# Altium PCB MainMaster.PcbDoc (part 2 of 2) (continued)
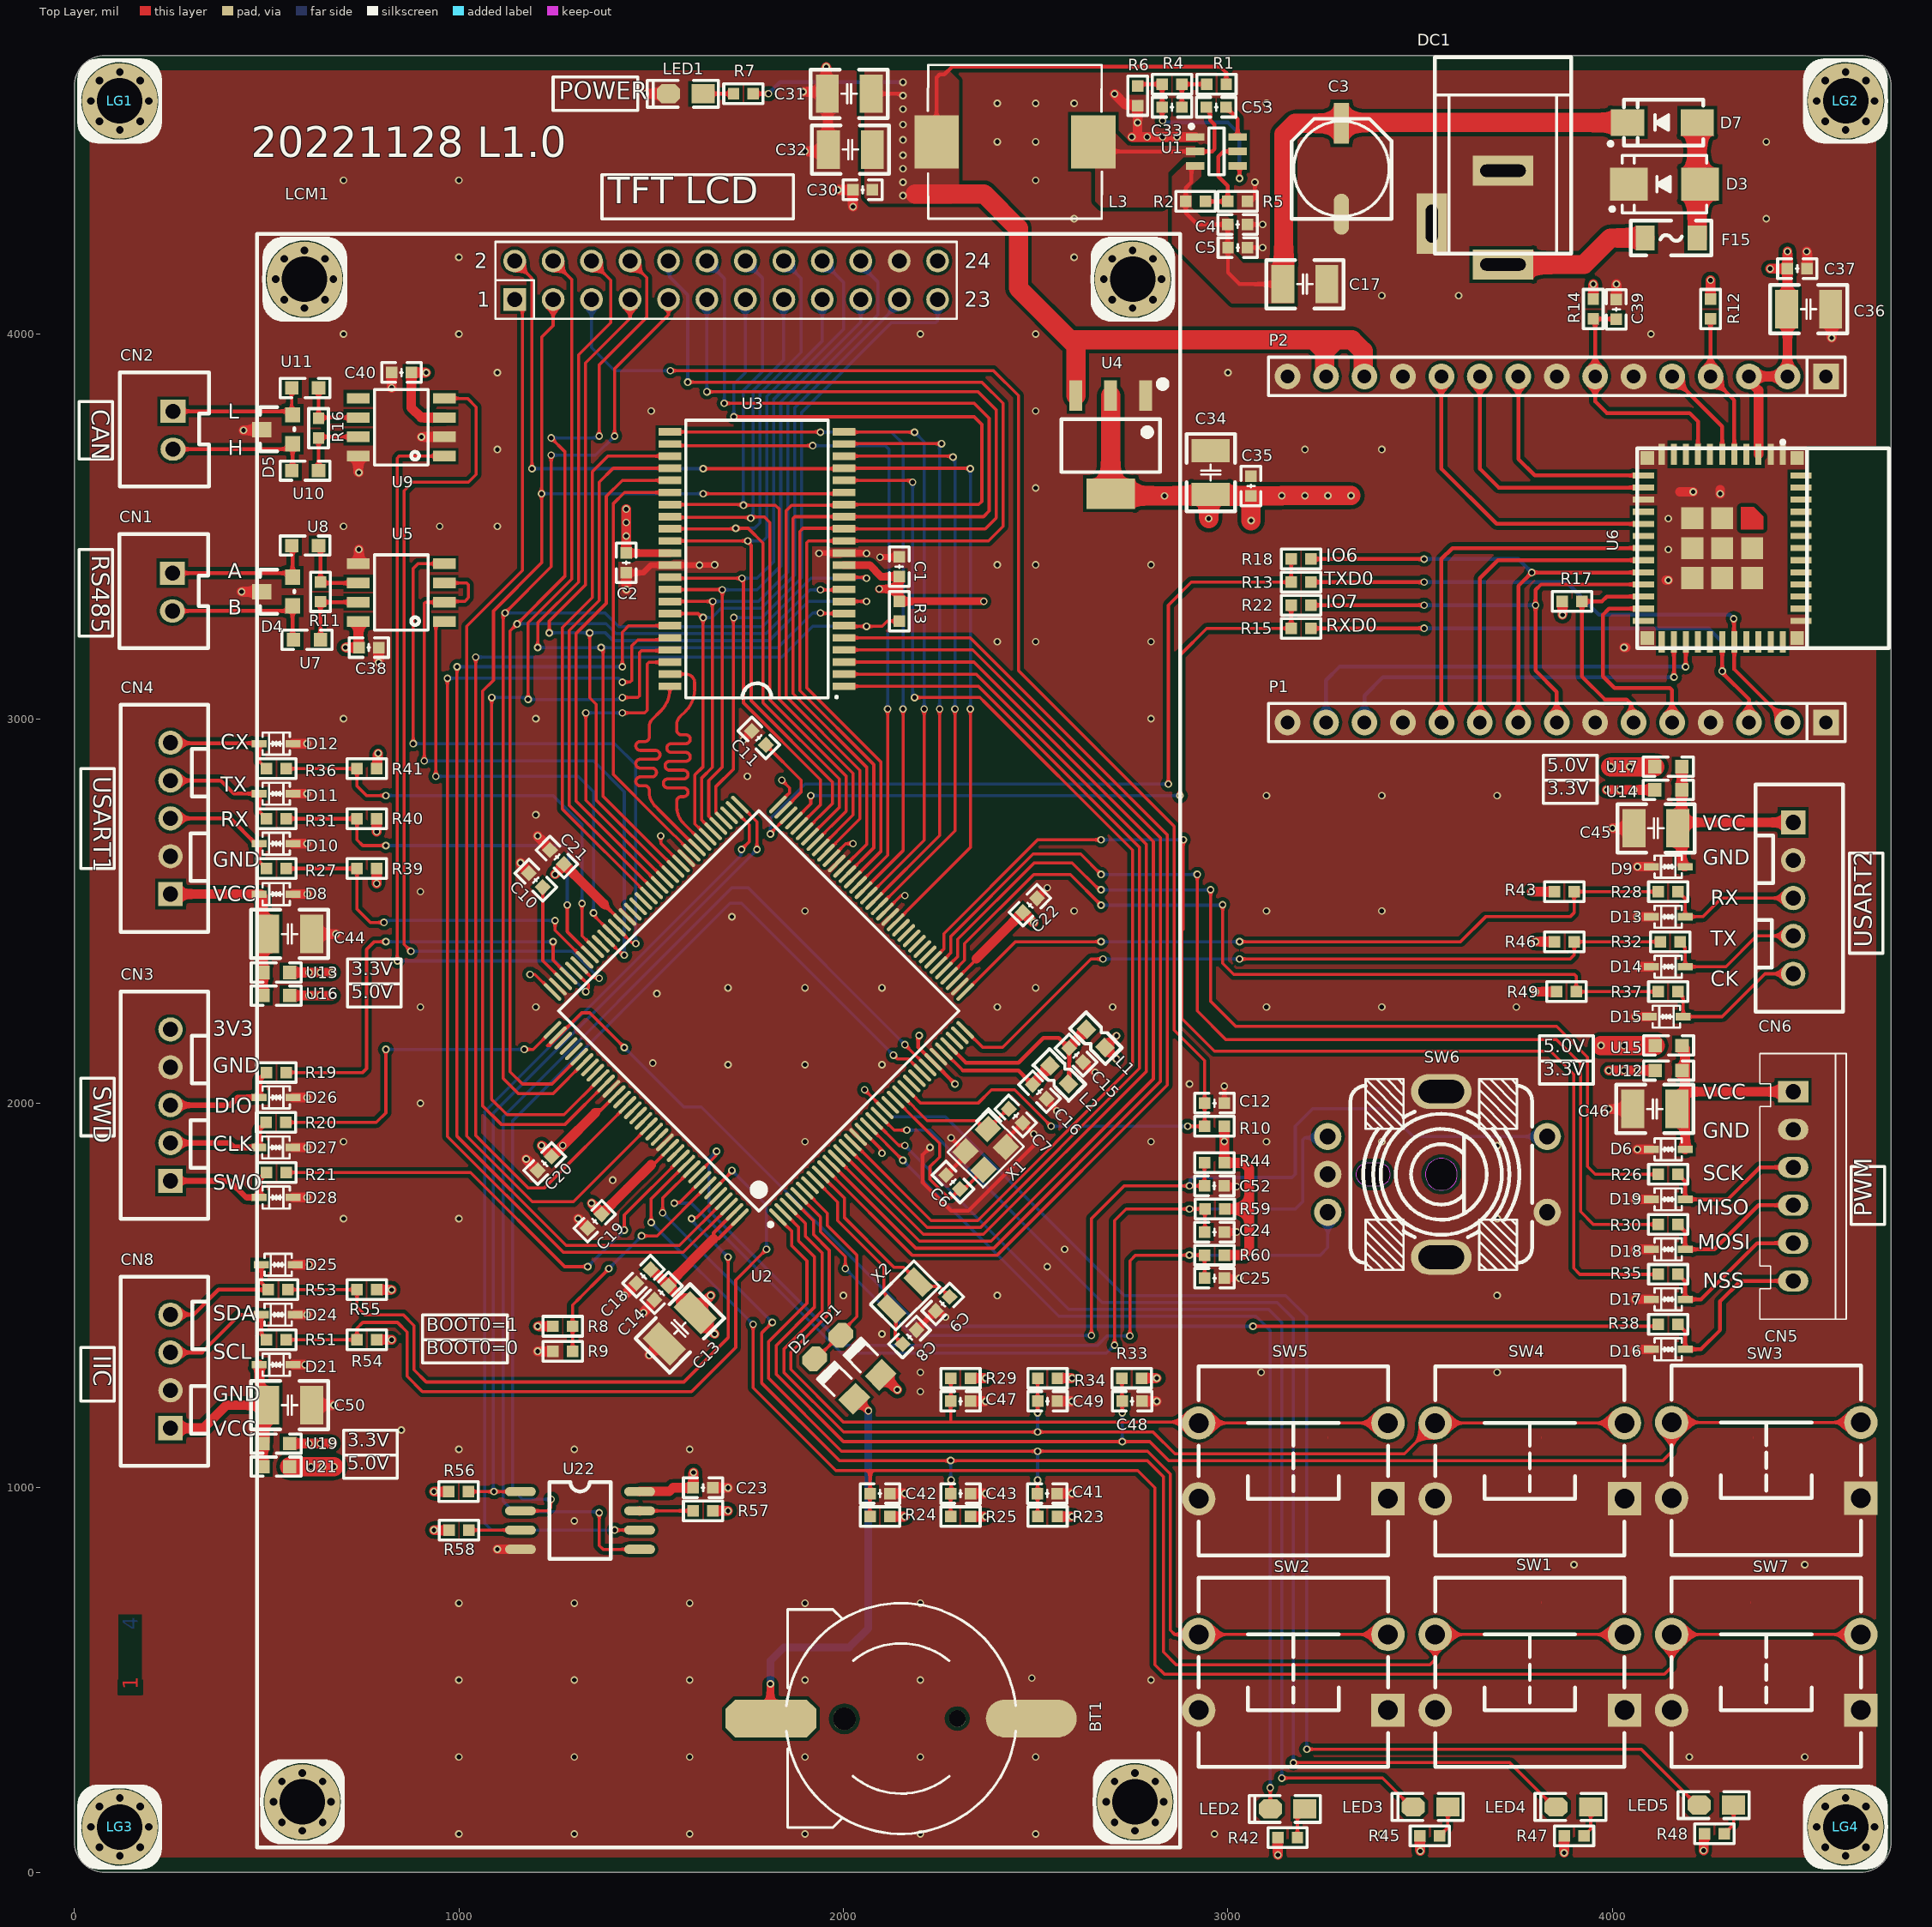
[diagram p0: Top Layer view]
## Nets (pads, with @x,y where several pads share a name; then routed paths per layer and width w, separated by ;. In a path a pad name is that pad's centre, name@x,y a point inside that pad or via, vN(x,y) a via of type N, cw(c..) or ccw(c..) an arc to the next point about the centre after c; other vN are vias at no path point) (continued)
NetC45_2: C45.2 CN6.1 D9.1 U14.2 U17.2 | length 556.2
  Top Layer w25: U17.2@4180,2875 U14.2@4180,2815 C45.2@4180,2730 ; D9.1@4189,2615 4184.96,2615 4180,2619.96 C45.2@4180,2730 ; CN6.1@4470,2730.28 4180.28,2730.28 C45.2@4180,2730
NetC46_2: C46.2 CN5.1 D6.1 U12.2 U15.2 | length 554.3
  Top Layer w25: U15.2@4181,2150 4189,2142 C46.2@4189,2030 ; D6.1@4189,1880 C46.2@4189,2030 ; CN5.1@4470,2030 C46.2@4189,2030
NetC50_2: C50.2 CN8.1 D21.1 U19.2 U21.2 | length 557.2
  Top Layer w25: CN8.1@250,1155 335,1155 395,1215 C50.2@502.91,1215 ; D21.1@481,1320 481,1256.91 502.91,1235 C50.2@502.91,1215 ; U21.2@490,1055 U19.2@490,1115 495,1120 495,1207.09 C50.2@502.91,1215
NetC53_1: C53.1 L3.1 U1.2 | length 445.7
  Top Layer w10: L3.1@2650,4500 2675,4475 U1.2@2914.88,4475 2959.14,4475 2965,4480.86 2965,4545 2953.82,4556.18 2953.82,4580 C53.1@2943.82,4590
NetC53_2: C53.2 U1.6 | length 90.1
  Top Layer w10: C53.2@2995,4590 3025.12,4559.88 U1.6@3025.12,4512.4
NetCN1_1: CN1.1 D4.2 U8.2 | length 401.9
  Top Layer w10: CN1.1@255,3378.43 552.07,3378.43 D4.2@567.5,3363 ; U8.2@565,3450 567.5,3447.5 D4.2@567.5,3368
NetCN1_2: CN1.2 D4.1 U7.2 | length 404.8
  Top Layer w10: CN1.2@255,3280 559.5,3280 D4.1@567.5,3288 ; D4.1@567.5,3293 D4.1@567.5,3288 ; U7.2@570,3205 567.5,3207.5 D4.1@567.5,3288
NetCN2_1: CN2.1 D5.2 U11.2 | length 382.2
  Top Layer w8: D5.2@558.29,3799.21 D5.2@565,3792.5 ; U11.2@565,3860 D5.2@565,3792.5 ; D5.2@567.5,3790 D5.2@565,3792.5
  Top Layer w10: CN2.1@256.6,3799.21 D5.2@558.29,3799.21
NetCN2_2: CN2.2 D5.1 U10.2 | length 387.8
  Top Layer w10: CN2.2@256.6,3700.79 553.29,3700.79 D5.1@567.5,3715 567.5,3647.5 U10.2@565,3645
NetCN3_1: CN3.1 D28.2 R21.2 | length 321.5
  Top Layer w15: CN3.1@250,1798.15 403.15,1798.15 446.3,1755 D28.2@481,1755 481,1801.59 R21.2@499.42,1820.01
NetCN3_2: CN3.2 D27.2 R20.2 | length 307.6
  Top Layer w15: CN3.2@250,1896.57 403.43,1896.57 415,1885 D27.2@480,1885 480,1931.18 R20.2@498.82,1950
NetCN3_3: CN3.3 D26.2 R19.2 | length 311.9
  Top Layer w15: CN3.3@250,1995 405,1995 425,2015 D26.2@481,2015 481,2061.59 R19.2@499.41,2080
NetCN4_3: CN4.3 D10.2 R27.1 | length 340.6
  Top Layer w10: CN4.3@250,2740.67 405.59,2740.67 471.26,2675 D10.2@481,2675 ; D10.2@490.74,2675 D10.2@481,2675 ; R27.1@499.41,2610 481,2628.4 D10.2@481,2675
NetCN4_4: CN4.4 D11.2 R31.1 | length 325.3
  Top Layer w10: CN4.4@250,2839.09 259.09,2830 268.18,2839.09 380.91,2839.09 415,2805 D11.2@481,2805 481,2758.4 R31.1@499.41,2740
NetCN4_5: CN4.5 D12.2 R36.1 | length 304.7
  Top Layer w10: CN4.5@250,2937.52 251.26,2936.26 479.74,2936.26 D12.2@481,2935 481,2888.4 R36.1@499.41,2870
NetCN5_3: CN5.3 D19.2 R26.1 | length 388.1
  Top Layer w10: R26.1@4170.59,1815 4189,1796.6 D19.2@4189,1750 4300,1750 4383.15,1833.15 CN5.3@4470,1833.15
NetCN5_4: CN5.4 D18.2 R30.1 | length 401.4
  Top Layer w10: R30.1@4170,1685 4189,1666 D18.2@4189,1620 4265,1620 4379.72,1734.72 CN5.4@4470,1734.72
NetCN5_5: CN5.5 D17.2 R35.1 | length 414.2
  Top Layer w10: R35.1@4170.59,1555 4189,1536.6 D17.2@4189,1490 4230,1490 4376.3,1636.3 CN5.5@4470,1636.3
NetCN5_6: CN5.6 D16.2 R38.1 | length 471.2
  Top Layer w10: R38.1@4170.59,1425 4189,1406.6 D16.2@4189,1360 4230,1360 4280,1410 4280,1485 4332.87,1537.87 CN5.6@4470,1537.87
NetCN6_3: CN6.3 D13.2 R28.1 | length 373.7
  Top Layer w8: R28.1@4170.59,2550 4189,2531.6 D13.2@4189,2485 4235,2485 4283.43,2533.43 CN6.3@4470,2533.43
NetCN6_4: CN6.4 D14.2 R32.1 | length 388.8
  Top Layer w8: R32.1@4175.59,2420 4189,2406.6 D14.2@4189,2355 4194,2360 4199,2355 4295,2355 4375,2435 CN6.4@4470,2435
NetCN6_5: CN6.5 D15.2 R37.1 | length 402.8
  Top Layer w8: R37.1@4170.59,2290 4184,2276.6 D15.2@4184,2225 4285,2225 4396.57,2336.57 CN6.5@4470,2336.57
NetCN8_3: CN8.3 D24.2 R51.1 | length 347.2
  Top Layer w10: CN8.3@250,1351.85 331.85,1351.85 430,1450 D24.2@486,1450 486,1398.4 R51.1@499.41,1385
NetCN8_4: CN8.4 D25.2 R53.1 | length 353.8
  Top Layer w10: CN8.4@250,1450.28 310.28,1450.28 375,1515 R53.1@504.41,1515 486,1533.4 D25.2@486,1580
NetD1_1: D1.1 D2.1 U2.6 | length 541.9
  Top Layer w8: U2.6@1899.01,1773 1958,1714.01 1958,1682 2035,1605 2035,1445 1990,1400 1990,1396.64 1928.36,1335 D2.1@1925,1335
NetD3_1: D3.1 D7.2 F15.2 | length 285
  Top Layer w50: F15.2@4220,4250 4220,4380 D7.2@4220,4535
NetDC1_1: DC1.1 F15.1 | length 452.1
  Top Layer w50: DC1.1@3665.63,4170.91 3705,4170.91 DC1.1@3715,4180.91 3925.91,4180.91 3995,4250 F15.1@4085,4250
NetLED1_2: LED1.2 R7.1 | length 79.4
  Top Layer w10: LED1.2@1635,4625 R7.1@1714.41,4625
NetLED2_2: LED2.2 R42.2 | length 83
  Top Layer w8: R42.2@3180.59,90 3180.59,145.59 LED2.2@3200,165
NetLED3_2: LED3.2 R45.2 | length 83.7
  Top Layer w8: R45.2@3550.59,95 3571.67,116.08 LED3.2@3571.67,170
NetLED4_2: LED4.2 R47.2 | length 82.4
  Top Layer w8: R47.2@3925.59,95 3943.33,112.74 LED4.2@3943.33,170
NetLED5_2: LED5.2 R48.2 | length 85.1
  Top Layer w8: R48.2@4290.59,100 4315,124.41 LED5.2@4315,175
NetR2_1: R2.1 R5.2 U1.5 | length 240.7
  Top Layer w10: R2.1@2941.18,4345 R5.2@2999.41,4345 2999.41,4385.59 2975,4410 2975,4461.72 2988.28,4475 U1.5@3025.12,4475
NetR11_1: R11.1 U5.7 U7.1 | length 198.2
  Top Layer w10: U7.1@640,3205 R11.1@640,3304.41 641.63,3302.78 U5.7@738.14,3302.78
NetR11_2: R11.2 U5.6 U8.1 | length 195.8
  Top Layer w10: U8.1@635,3450 640,3445 R11.2@640,3355.59 642.81,3352.78 U5.6@738.14,3352.78
NetR16_1: R16.1 U9.7 U10.1 | length 188.9
  Top Layer w10: U10.1@635,3645 R16.1@635,3729.41 638.38,3732.78 U9.7@738.14,3732.78
NetR16_2: R16.2 U9.6 U11.1 | length 183.5
  Top Layer w10: U11.1@635,3860 R16.2@635,3780.59 637.19,3782.78 U9.6@738.14,3782.78
NetR57_2: R57.2 U22.7 | length 139.4
  Top Layer w8: U22.7@1470,940 R57.2@1609.41,940
NetR58_1: R58.1 U22.3 | length 134.4
  Top Layer w8: R58.1@1025.59,890 U22.3@1160,890
PA2_USART2_TX: R32.2 R46.2 U2.36 | length 1960.8
  Top Layer w8: U2.36@2316.59,2190.59 2362.18,2145 2413.96,2145 2643.96,2375 v1(2675,2375) ; v1(3030,2375) 3890,2375 3900.59,2385.59 R46.2@3900.59,2420 R32.2@4124.41,2420
  Bottom Layer w8: v1(2675,2375) v1(3030,2375)
PA3_USART2_RX: R28.2 R43.2 U2.37 | length 1943
  Top Layer w8: U2.37@2316.59,2289.41 2447.18,2420 v1(2670,2420) ; v1(3030,2420) 3605,2420 3670,2485 3890,2485 3900,2495 R43.2@3900,2550 R28.2@4119.41,2550
  Bottom Layer w8: v1(2670,2420) v1(3030,2420)
PA4_USART2_CK: R37.2 R49.2 U2.40 | length 2219.8
  Top Layer w8: U2.40@2274.84,2331.17 2315,2371.34 2315,2415 2495,2595 2590,2595 v1(2670,2515) ; v1(2986.25,2516.25) 2986.25,2363.75 3015,2335 3900.9,2335 3905.59,2330.31 R49.2@3905.59,2290 R37.2@4119.41,2290
  Bottom Layer w8: v1(2670,2515) 2985,2515 v1(2986.25,2516.25)
PA5_SPI1_SCK: R26.2 U2.41 | length 2673.1
  Top Layer w8: U2.41@2260.92,2345.09 2297,2381.18 2297,2426.09 2495.91,2625 2595,2625 2665,2555 v1(2670,2555) ; v1(2955,2555) 2955,2265 3020,2200 3855,2200 3935,2120 3935,1835 3955,1815 R26.2@4119.41,1815
  Bottom Layer w8: v1(2670,2555) v1(2955,2555)
PA6_SPI1_MISO: R30.2 U2.42 | length 2848.8
  Top Layer w8: U2.42@2247,2359.01 2279,2391.01 2279,2433.54 2493.46,2648 2617,2648 v1(2670,2595) ; v1(2920,2595) 2920,2240 2995,2165 3855,2165 3917,2103 3917,1718 3950,1685 R30.2@4118.82,1685
  Bottom Layer w8: v1(2670,2595) v1(2920,2595)
PA7_SPI1_MOSI: R35.2 U2.43 | length 3080.3
  Top Layer w8: U2.43@2233.08,2372.93 2261,2400.85 2261,2441 2505,2685 v1(2670,2685) ; v1(2883.84,2685) 2883.84,2452.84 2880,2449 2880,2220 2965,2135 3839.09,2135 3899,2075.09 3899,1571 3915,1555 R35.2@4119.41,1555
  Bottom Layer w8: v1(2670,2685) v1(2883.84,2685)
PA8_USART1_CX: R36.2 R41.2 U2.100 | length 1194.6
  Top Layer w8: R36.2@550.59,2870 R41.2@735,2870 735,2825 760,2800 v1(810,2800) ; v1(1320.17,2519.63) 1320,2519.46 1320,2435.53 U2.100@1354.76,2400.77
  Bottom Layer w8: v1(810,2800) 1245,2800 1320,2725 1320,2519.79 v1(1320.17,2519.63)
PA9_USART1_TX: R31.2 R40.2 U2.101 | length 1101.9
  Top Layer w8: R40.2@735,2740 735,2685 750,2670 v1(810,2670) ; v1(1281.7,2515.47) 1281.7,2445.99 U2.101@1340.84,2386.85
  Top Layer w10: R31.2@550.59,2740 R40.2@735,2740
  Bottom Layer w8: v1(810,2670) 1280.31,2670 1285,2665.31 1285,2593.62 1281.7,2590.33 v1(1281.7,2515.47)
PA10_USART1_RX: R27.2 R39.2 U2.102 | length 954.9
  Top Layer w8: R39.2@735,2610 735,2505 770,2470 v1(805,2470) ; v1(1250,2475) 1250,2449.85 U2.102@1326.92,2372.93
  Top Layer w10: R27.2@550.59,2610 R39.2@735,2610
  Bottom Layer w8: v1(805,2470) 810,2475 v1(1250,2475)
PA11_CAN1_RX: U2.103 U9.4 | length 2262.7
  Top Layer w8: v1(875,2395) 857.31,2412.69 857.31,3592.31 880,3615 1025,3615 1045,3635 1045,3810 1022.22,3832.78 U9.4@961.86,3832.78 ; U2.103@1313,2359.01 1344.78,2327.24 1362.76,2327.24 v1(1365,2325)
  Bottom Layer w8: v1(875,2395) 1295,2395 v1(1365,2325)
PA12_CAN1_TX: U2.104 U9.1 | length 2030.2
  Top Layer w8: v1(840,2370) 839.31,2370.69 839.31,3677.41 844.69,3682.78 U9.1@961.86,3682.78 ; U2.104@1299.08,2345.09 1299.58,2345.09 1318.6,2326.08 1319.07,2326.08 1337.36,2307.79 1337.36,2301.16 1332.24,2296.04 1332.24,2292.24 v1(1330,2290)
  Bottom Layer w8: v1(840,2370) 1250,2370 v1(1330,2290)
PA15_SPI1_NSS: R38.2 U2.110 | length 3303.5
  Top Layer w8: U2.110@1257.33,2176.67 1234.27,2153.62 1230.31,2149.65 1234.27,2149.65 1236.23,2149.65 1236.23,2151.66 1259.28,2174.71 1319.57,2235 1340,2235 v1(1430,2145) ; v1(3065,1420) 4114.41,1420 R38.2@4119.41,1425
  Bottom Layer w8: v1(1430,2145) 1585,1990 1630,1990 2200,1420 v1(3065,1420)
PB4_KEY0: C42.1 R24.2 SW7.3 SW7.4 U2.134 | length 4391.9
  Top Layer w8: v1(1500,1690) 1500,1751.21 U2.134@1591.39,1842.6 ; v1(1765,1425) 1765,1260 1980,1045 2069.41,1045 ; C42.1@2068.82,995 2068.82,935.6 R24.2@2069.41,935 ; C42.1@2069.41,995 2069.41,1045 ; SW7.4@4646.06,618.43 SW7.3@4153.94,618.43 4153.94,533.94 4135,515 2835,515 2810,540 2810,1000 2765,1045 2069.41,1045
  Bottom Layer w8: v1(1500,1690) v1(1765,1425)
PB5_KEY1: C43.1 R25.2 SW1.3 SW1.4 U2.135 | length 3738.6
  Top Layer w8: v1(1530,1715) 1530,1753.37 U2.135@1605.31,1828.68 ; v1(1815,1430) 1787,1402 1787,1273 1990,1070 2790.77,1070 2832.06,1028.71 2832.06,572.94 2865,540 3525,540 3538.94,553.94 SW1.3@3538.94,618.43 SW1.4@4031.06,618.43 ; R25.2@2278.82,935 C43.1@2278.82,985 2280,986.18 v1(2280,1020)
  Bottom Layer w8: v1(1530,1715) v1(1815,1430) ; v1(2278.82,1071.18) 2278.82,1021.18 v1(2280,1020)
PB6_TIM4_CH1: C25.1 R60.1 SW6.B U2.136 | length 2410.5
  Top Layer w8: U2.136@1619.23,1814.76 1667.76,1863.3 1667.76,1872.76 v1(1670,1875) ; v1(2745,1395) 2745,1590 2760,1605 v1(2899.7,1605) R60.1@2939.41,1605 C25.1@2939.41,1545
  Bottom Layer w8: v1(1670,1875) 1650,1855 1650,1720 2000,1370 2660,1370 2685,1395 v1(2745,1395) ; v1(2899.7,1605) 3240,1605 3259.57,1624.57 SW6.B@3259.57,1716.59
PB7_TIM4_CH2: C24.1 R59.1 SW6.A U2.137 | length 2576.7
  Top Layer w8: v1(1560,1740) 1562.24,1742.24 1574.54,1742.24 U2.137@1633.15,1800.84 ; v1(2705,1371.16) 2705,1695 2735,1725 v1(2900,1725) R59.1@2940,1725 2940,1665.59 C24.1@2939.41,1665
  Bottom Layer w8: v1(1560,1740) 1604.54,1740 1994.54,1350 2683.84,1350 v1(2705,1371.16) ; v1(2900,1725) 3175,1725 3195,1745 3195,1905.31 3199.69,1910 3256.13,1910 SW6.A@3259.57,1913.44
PB8_I2C1_SCL: R51.2 R54.2 U2.139 | length 1997.9
  Top Layer w8: R51.2@550.59,1385 R54.2@735,1385 735,1415 750,1430 840,1430 865,1405 865,1290 905,1250 970,1250 1605,1250 1720,1365 1720,1540 v1(1800,1620) ; U2.139@1660.99,1773 1660.99,1773.5 1710,1822.51 v1(1710,1825)
  Bottom Layer w8: v1(1710,1825) 1800,1735 v1(1800,1620)
PB9_I2C1_SDA: R53.2 R55.2 U2.140 | length 1828.9
  Top Layer w8: R53.2@555.59,1515 R55.2@735,1515 735,1470 755,1450 855,1450 883,1422 883,1307 915,1275 1585,1275 1700,1390 v1(1700,1600) ; v1(1605,1700) 1607.24,1702.24 1618.06,1702.24 U2.140@1674.91,1759.08
  Bottom Layer w8: v1(1605,1700) 1605,1695 v1(1700,1600)
PB10_USART3_TX: R15.1 R22.2 U2.69 | length 1786.7
  Top Layer w8: U2.69@1871.17,2734.84 1915,2778.66 v1(1915,2800) ; v1(2875,2800) 2875,3165 2945,3235 R15.1@3164.41,3235
  Top Layer w10: R15.1@3164.41,3235 R22.2@3164.41,3295
  Bottom Layer w8: v1(1915,2800) v1(2875,2800)
PB11_USART3_RX: R13.1 R18.2 U2.70 | length 2049.9
  Top Layer w8: v1(1810,2700) 1810,2701.5 U2.70@1857.25,2748.76 ; v1(2845,2830) 2845,3295 2905,3355 R13.1@3164.41,3355 R18.2@3164.41,3415
  Bottom Layer w8: v1(1810,2700) 1810,2740 1900,2830 v1(2845,2830)
PB12_SPI2_NSS: R56.2 U2.73 U22.1 | length 2225
  Top Layer w8: R56.2@1025,990 1090,990 U22.1@1160,990 ; U2.73@1730.59,2776.59 1775,2732.18 v1(1775,2660)
  Bottom Layer w8: v1(1091.16,990) 1089,992.16 1089,1973.54 1775,2659.54 v1(1775,2660)
PB13_SPI2_SCK: U2.74 U22.6 | length 2565.7
  Top Layer w8: v1(1405,890) U22.6@1470,890 ; U2.74@1716.67,2762.67 1755,2724.34 1755,2680 v1(1735,2660)
  Bottom Layer w8: v1(1405,890) 1085,890 1067.31,907.69 1067.31,1977.77 1733.07,2643.52 1733.07,2658.07 v1(1735,2660)
PB15_LCD_BLK: LCM1.23 U2.76 | length 1713.4
  Top Layer w8: U2.76@1688.83,2734.84 1688.83,2735.33 1667.73,2756.43 1667.73,2822.73 1713.5,2868.5 1713.5,3261.34 v1(1715,3262.84)
  Bottom Layer w8: v1(1715,3262.84) 1787.84,3262.84 1891,3366 1891,3796.31 2124.69,4030 2240.31,4030 2245,4034.69 LCM1.23@2245,4090
PC2_SPI2_MISO: U2.28 U22.2 | length 2656.3
  Top Layer w8: U22.2@1160,940 1230,940 1238.16,948.16 1238.16,968.16 v1(1240,970) ; v1(2130,2125) 2130.53,2125 2140.53,2115 2169.47,2115 U2.28@2205.24,2079.23
  Bottom Layer w8: v1(1240,970) 1165,970 1140,995 1140,1955 1705,2520 1735,2520 v1(2130,2125)
PC3_SPI2_MOSI: U2.29 U22.5 | length 3000.6
  Top Layer w8: v1(1365,935) 1365,850 1375,840 U22.5@1470,840 ; v1(2160,2152.31) U2.29@2219.16,2093.15
  Bottom Layer w8: v1(1365,935) 1362.31,937.68 1142.31,937.68 1115,965 1115,1965 1710,2560 1752.31,2560 v1(2160,2152.31)
PC6_USART6_TX: U2.96 U5.4 | length 1674.6
  Top Layer w8: v1(881.16,2935) 881.16,3390.41 893.53,3402.78 U5.4@961.86,3402.78 ; U2.96@1410.44,2456.45 1449.65,2417.24 1457.76,2417.24 v1(1460,2415)
  Bottom Layer w8: v1(881.16,2935) 1405,2935 1460,2880 v1(1460,2415)
PC7_USART6_RX: U2.97 U5.1 | length 1232.2
  Top Layer w8: v1(940,2850) 940,3243 949.78,3252.78 U5.1@961.86,3252.78 ; v1(1350,2495) 1352.24,2492.76 1352.24,2486.81 U2.97@1396.52,2442.53
  Bottom Layer w8: v1(940,2850) 1310,2850 1350,2810 v1(1350,2495)
PC8_485_CTR: U2.98 U5.2 U5.3 | length 1673.1
  Top Layer w8: v1(910,2890) 910,3299.88 912.89,3302.78 U5.2@961.86,3302.78 964.08,3305 1015.31,3305 1020,3309.69 1020,3310 1025,3315 1025,3348.09 1020.31,3352.78 U5.3@961.86,3352.78 ; U2.98@1382.6,2428.61 1423.97,2387.24 1427.76,2387.24 v1(1430,2385)
  Bottom Layer w8: v1(910,2890) 1350,2890 1430,2810 v1(1430,2385)
PE2_KEY2: C41.1 R23.2 SW2.3 SW2.4 U2.1 | length 2786.8
  Top Layer w8: U2.1@1829.41,1703.41 1865,1667.82 1865,1630 1905,1590 1905,1480 1805,1380 1805,1285 1994.98,1095.02 v1(2505,1095) 2791.2,1095.02 2850.06,1036.17 2850.06,629.94 2861.57,618.43 SW2.3@2923.94,618.43 SW2.4@3416.06,618.43 ; R23.2@2505,925 2505,984.4 C41.1@2504.41,985 2505,985.59 v1(2505,1020)
  Bottom Layer w8: v1(2505,1020) v1(2505,1095)
PE3_KEY3: C48.1 R33.2 SW3.3 SW3.4 U2.2 | length 3663.1
  Top Layer w8: U2.2@1843.33,1717.33 1883,1677.66 1883,1642 1925,1600 1925,1470 1825,1370 1825,1295 2000,1120 v1(2725,1120) 2796.37,1120 2846.37,1070 4130,1070 4153.94,1093.94 SW3.3@4153.94,1170 SW3.4@4646.06,1170 ; R33.2@2724.41,1285 2724.41,1225.59 C48.1@2725,1225 v1(2725,1195)
  Bottom Layer w8: v1(2725,1120) v1(2725,1195)
PE4_KEY4: C49.1 R34.2 SW4.3 SW4.4 U2.3 | length 2955.9
  Top Layer w8: U2.3@1857.25,1731.24 1901,1687.5 1901,1654 1945,1610 1945,1460 1845,1360 1845,1300.46 2000.46,1145 v1(2505,1145) 2805,1145 2862,1088 3458.51,1088 SW4.3@3538.94,1168.43 SW4.4@4031.06,1168.43 ; v1(2505,1195) C49.1@2505,1225 R34.2@2505,1285
  Bottom Layer w8: v1(2505,1145) v1(2505,1195)
PE5_KEY5: C47.1 R29.2 SW5.3 SW5.4 U2.4 | length 2242.3
  Top Layer w8: U2.4@1871.17,1745.16 1922,1694.34 1922,1658.46 1963,1617.46 1963,1452.54 1863,1352.54 1863,1307.91 1999.91,1171 2280,1171 ; R29.2@2279.41,1285 2279.41,1225.59 C47.1@2278.82,1225 2278.82,1172.18 2280,1171 ; SW5.4@3416.06,1168.43 SW5.3@2923.94,1168.43 2921.36,1171 2280,1171
PE6_KEY6: C52.1 R44.1 SW6.D U2.5 | length 2769.6
  Top Layer w8: U2.5@1885.09,1759.08 1940,1704.18 1940,1665.91 2005,1600.91 v1(2005,1570) ; v1(2645,1396.16) 2645,1700 2730,1785 v1(2900,1785) C52.1@2938.82,1785 2938.82,1844.41 R44.1@2939.41,1845
  Bottom Layer w8: v1(2005,1570) 2178.84,1396.16 v1(2645,1396.16) ; v1(2900,1785) 2901.84,1786.84 2901.84,1802.16 2906.53,1806.84 3166.84,1806.84 3175,1815 3175,1940 3220.75,1985.75 3409.25,1985.75 3481.56,1913.44 SW6.D@3830.43,1913.44
PF6_LED0: LED2.1 U2.18 | length 2507.8
  Top Layer w8: U2.18@2066.04,1940.04 2154.38,1851.7 v1(2154.53,1851.7) ; LED2.1@3110,165 v1(3110,220)
  Bottom Layer w8: v1(2154.53,1851.7) 2560.23,1446 3072.72,1446 3110,1408.72 v1(3110,220)
PF7_LED1: LED3.1 U2.19 | length 2834.8
  Top Layer w8: U2.19@2079.96,1953.96 2143.92,1890 v1(2160,1890) ; v1(3140,245) 3401.67,245 3476.67,170 LED3.1@3481.67,170
  Bottom Layer w8: v1(2160,1890) 2586,1464 3106,1464 3140,1430 v1(3140,245)
PF8_LED2: LED4.1 U2.20 | length 3180.7
  Top Layer w8: U2.20@2093.88,1967.88 2131.76,1930 v1(2165,1930) ; v1(3170,285) 3733.33,285 3848.33,170 LED4.1@3853.33,170
  Bottom Layer w8: v1(2165,1930) 2225,1930 2673,1482 3128,1482 3170,1440 v1(3170,285)
PF9_LED3: LED5.1 U2.21 | length 3674.6
  Top Layer w8: v1(2055,2035) 2055,2034.8 2107.6,1982.2 2107.8,1982.2 U2.21@2107.8,1981.79 ; v1(3205,320) 4075,320 4220,175 LED5.1@4225,175
  Bottom Layer w8: v1(2055,2035) 2125,1965 2265,1965 2730,1500 3150,1500 3205,1445 v1(3205,320)
PF11_T_PENIRQ: U2.49
RESET: C12.2 LCM1.5 R10.2 U2.25 | length 4232.7
  Top Layer w8: v1(1550,3905) 2390,3905 2455,3840 2455,3125 2860,2720 2860,2190 2939.41,2110.59 C12.2@2939.41,2000 R10.2@2939.41,1940 v1(2895,1940) ; U2.25@2163.48,2037.47 2200.95,2000 2350,2000 2385,2035 2445,2035 v1(2540,1940)
  Bottom Layer w8: LCM1.5@1345,4090 1345,3965 1405,3905 v1(1550,3905) ; v1(2540,1940) v1(2895,1940)
RXD0: P1.3 R15.2 U6.30 | length 1398.8
  Top Layer w10: R15.2@3215.59,3235 v1(3510,3235) ; U6.30@4285.28,3199.41 v1(4285.28,3123.51) 4285.28,3119.72 4355,3050 P1.3@4355,2990
  Bottom Layer w10: v1(3510,3235) 4250,3235 4285.28,3199.72 v1(4285.28,3123.51)
SWCLK: R20.1 U2.109 | length 889.7
  Top Layer w8: R20.1@550,1950 785,1950 810,1975 v1(810,2140) ; v1(1170,2140) 1192.82,2140 U2.109@1243.41,2190.59
  Bottom Layer w8: v1(810,2140) v1(1170,2140)
SWDIO: R19.1 U2.105 | length 1122.3
  Top Layer w8: R19.1@550.59,2080 750,2080 760,2090 760,2400 780,2420 v1(810,2420) ; v1(1245,2420) 1245,2371.34 U2.105@1285.16,2331.17
  Bottom Layer w8: v1(810,2420) v1(1245,2420)
SWO: R21.1 U2.133 | length 1267.8
  Top Layer w8: R21.1@550.6,1820.01 1029.99,1820.01 1275,1575 v1(1335,1575) ; v1(1430,1670) 1430,1709.05 U2.133@1577.47,1856.52
  Bottom Layer w8: v1(1335,1575) v1(1430,1670)
TXD0: P1.2 R13.2 U6.31 | length 1466.8
  Top Layer w10: R13.2@3215.59,3355 v1(3510,3355) ; v1(4315,3260) 4315.89,3259.11 4315.89,3200.3 U6.31@4316.78,3199.41 4316.78,3128.22 P1.2@4455,2990
  Bottom Layer w10: v1(3510,3355) 3880,3355 3965,3270 4305,3270 v1(4315,3260)
VREF: C16.2 L2.2 U2.32 | length 401.6
  Top Layer w8: U2.32@2260.92,2134.91 2310.82,2085 ; C16.2@2491.91,2048.1 2537.51,2093.7 2537.51,2095.59 L2.2@2537.51,2097.49
  Top Layer w10: 2310.82,2085 2455,2085 C16.2@2491.91,2048.1
  Top Layer w25: C16.2@2491.91,2048.1 2491.91,2049.99 L2.2@2537.51,2095.59
pads on no net: BT1.0 LCM1.0 LG1.0 LG2.0 LG3.0 LG4.0 U2.7 U2.22 U2.26 U2.27 U2.34 U2.35 U2.44 U2.45 U2.46 U2.47 U2.48 U2.75 U2.91 U2.92 U2.93 U2.99 U2.111 U2.112 U2.113 U2.116 U2.117 U2.122 U2.124 U2.125 U2.126 U2.128 U2.129 U2.132 U6.4 U6.7 U6.9 U6.10 U6.15 U6.17 U6.24 U6.25 U6.28 U6.29 U6.32 U6.33 U6.34 U6.35 U6.37 U6.38 U6.39 U6.40 U6.41 U6.42 U6.43 U6.44 U6.45 U6.46 U6.47 U6.48 U9.5

## Polygon pours and split planes (outlines as drawn)
AGND on Top Layer "AGND_L01_P026" (solid, remove dead copper, pour order 26): 40,4585 cw(c140,4585) 140,4685 4585.67,4685 cw(c4585.67,4585) 4685.67,4585 4685.67,139.33 cw(c4585.67,139.33) 4585.67,39.33 140,39.33 cw(c140,139.33) 40,139.33
NetC53_1 on Top Layer "NETC53_1_L01_P020" (solid, pour order 20): 2915,4490 2740,4490 2705,4525 2655,4475 2655,4345 2670,4330 2830,4330 2845,4345 2845,4420 2885,4460 2915,4460
5V on Top Layer "5V_L01_P021" (solid, remove dead copper, pour order 21): 2055,4685 2275,4685 2300,4660 2300,4360 2280,4340 2070,4340 2055,4355
NetC3_1 on Top Layer "NETC3_1_L01_P019" (solid, remove dead copper, pour order 19): 2890,4445 2855,4410 2855,4235 3010,4080 3170,4080 3170,4175 3160,4185 3040,4185 3015,4210 3015,4290 3000,4305 2930,4305 2905,4330 2905,4385 2930,4410 2930,4445
no net on Top Layer "NONET_L01_P018" (solid, pour order 18): 2890,4445
3V3 on VDD "3V3_L02_P023" (solid, remove dead copper, pour order 23): 39.37,4585.04 cw(c139.37,4585.04) 139.37,4685.04 4585.04,4685.04 cw(c4585.04,4585.04) 4685.04,4585.04 4685.04,139.37 cw(c4585.04,139.37) 4585.04,39.37 139.37,39.37 cw(c139.37,139.37) 39.37,139.37
no net on VDD "NONET_L02_P022" (solid, pour order 22): 20,4440
no net on Top Overlay "NONET_L02_P-001" (solid): 395,1140
AGND on GND "AGND_L03_P024" (solid, remove dead copper, pour order 24): 39.37,4585.04 cw(c139.37,4585.04) 139.37,4685.04 4585.04,4685.04 cw(c4585.04,4585.04) 4685.04,4585.04 4685.04,139.37 cw(c4585.04,139.37) 4585.04,39.37 139.37,39.37 cw(c139.37,139.37) 39.37,139.37
AGND on Bottom Layer "AGND_L04_P025" (solid, remove dead copper, pour order 25): 37.98,4584.86 cw(c137.98,4584.86) 137.98,4684.86 4583.65,4684.86 cw(c4583.65,4584.86) 4683.65,4584.86 4683.65,139.19 cw(c4583.65,139.19) 4583.65,39.19 137.98,39.19 cw(c137.98,139.19) 37.98,139.19

## Other copper
Top Layer:
  pour cut-out: 115,460 175,460 175,670 115,670
  pour cut-out: 4505,3710 4520,3710 4715,3710 4715,3195 4705,3185 4505,3185
  text "1" at 165,475 h39.37 r90
VDD:
  pour cut-out: 115,460 175,460 175,670 115,670
  pour cut-out: 4505,3710 4520,3710 4715,3710 4715,3195 4705,3185 4505,3185
  text "2" at 165,520 h39.37 r90
GND:
  pour cut-out: 115,460 175,460 175,670 115,670
  pour cut-out: 4505,3710 4520,3710 4715,3710 4715,3195 4705,3185 4505,3185
  text "3" at 165,575 h39.37 r90
Bottom Layer:
  pour cut-out: 115,460 175,460 175,670 115,670
  pour cut-out: 4505,3710 4520,3710 4715,3710 4715,3195 4705,3185 4505,3185
  text "4" at 165,630 h39.37 r90

## Silkscreen, mask and mechanical layers (free items; w line width, h text height)
Top Overlay:
  lines w8: 700,1085 840,1085 ; 710,2310 850,2310 ; 905,1385 1126,1385 ; 3810,2110 3950,2110 ; 3820,2840 3960,2840 ; 12,3215 99,3215 99,3440 12,3440 12,3215 ; 12,3675 99,3675 99,3825 12,3825 12,3675 ; 17,1225 17,1365 104,1365 104,1225 17,1225 ; 17,1915 104,1915 104,2065 17,2065 17,1915 ; 17,2610 104,2610 104,2870 17,2870 17,2610 ; 700,1025 700,1150 840,1150 840,1025 700,1025 ; 710,2250 710,2375 850,2375 850,2250 710,2250 ; 905,1325 905,1450 1126,1450 1126,1325 905,1325 ; 1245,4582 1465,4582 1465,4669 1245,4669 1245,4582 ; 1372,4300 1870,4300 1870,4414 1372,4414 1372,4300 ; 3810,2050 3810,2175 3950,2175 3950,2050 3810,2050 ; 3820,2780 3960,2780 3960,2905 3820,2905 3820,2780 ; 4616,2390 4703,2390 4703,2650 4616,2650 4616,2390 ; 4621,1685 4621,1835 4708,1835 4708,1685 4621,1685
  text "POWER" at 1260,4595 h78.74
  text "20221128 L1.0" at 459.84,4459.84 h78.74
  text "TFT LCD" at 1387,4316 h118.11
  text "CAN" at 30,3805 h78.74 r270
  text "L" at 399.36,3780 h39.37
  text "H" at 399.36,3685 h39.37
  text "RS485" at 30,3425 h78.74 r270
  text "IO6" at 3255,3395 h60
  text "A" at 399.36,3365 h39.37
  text "TXD0" at 3250,3335 h60
  text "IO7" at 3255,3275 h60
  text "B" at 399.36,3270 h39.37
  text "RXD0" at 3254.96,3213.34 h60
  text "CX" at 379.68,2920 h39.37
  text "USART1" at 35,2850 h78.74 r270
  text "5.0V" at 3830,2850 h60
  text "TX" at 379.68,2810 h39.37
  text "3.3V" at 3830,2790 h60
  text "RX" at 379.68,2720 h39.37
  text "VCC" at 4235,2710 h39.37
  text "GND" at 4235,2620 h39.37
  text "GND" at 360,2615 h39.37
  text "VCC" at 360,2525 h39.37
  text "RX" at 4254.68,2515 h39.37
  text "TX" at 4254.68,2410 h39.37
  text "USART2" at 4690,2405 h78.74 r90
  text "3.3V" at 720,2320 h60
  text "CK" at 4254.68,2305 h39.37
  text "5.0V" at 720,2260 h60
  text "3V3" at 360,2175 h39.37
  text "5.0V" at 3820,2120 h60
  text "GND" at 360,2080 h39.37
  text "3.3V" at 3820,2060 h60
  text "SWD" at 35,2045 h78.74 r270
  text "VCC" at 4235,2010 h39.37
  text "DIO" at 363.28,1975 h39.37
  text "GND" at 4235,1910 h39.37
  text "CLK" at 360,1875 h39.37
  text "SCK" at 4235,1800 h39.37
  text "SWO" at 360,1775 h39.37
  text "MISO" at 4218.6,1710 h39.37
  text "PWM" at 4690,1705 h78.74 r90
  text "MOSI" at 4221.88,1620 h39.37
  text "NSS" at 4235,1520 h39.37
  text "SDA" at 360,1435 h39.37
  text "BOOT0=1" at 915,1395 h60
  text "IIC" at 35,1345 h78.74 r270
  text "SCL" at 360,1335 h39.37
  text "BOOT0=0" at 915,1335 h60
  text "GND" at 360,1225 h39.37
  text "VCC" at 360,1135 h39.37
  text "3.3V" at 710,1095 h60
  text "5.0V" at 710,1035 h60
Mechanical 1:
  the board outline again, w10

## Dimensions
4555,3890 to 4555,2990 on Top Overlay
78.74,0 to 78.74,4724.41 on Top Overlay
4725,50 to 0,78.74 on Top Overlay

## Text inside footprints (layer, text, board x,y; h text height)
LCM1: Top Overlay "24" at 2314.53,4170.87 h39.37; Top Overlay "23" at 2314.53,4070.87 h39.37; Top Overlay "2" at 1040.76,4170.87 h39.37; Top Overlay "1" at 1047.32,4070.87 h39.37